# KiCad board zx-multisound.kicad_pcb
title: ZX-MULTISOUND; date: 2026-04-02; rev: KA2; company: Eugene Lozovoy; note: Thickness: 1.6mm; note: Layers: 2; note: Dimensions: 170x64mm; note: Min clearance: 0.2mm; note: Min track: 0.2mm; note: Min hole: 0.3mm; note: Min annular ring: 0.15mm
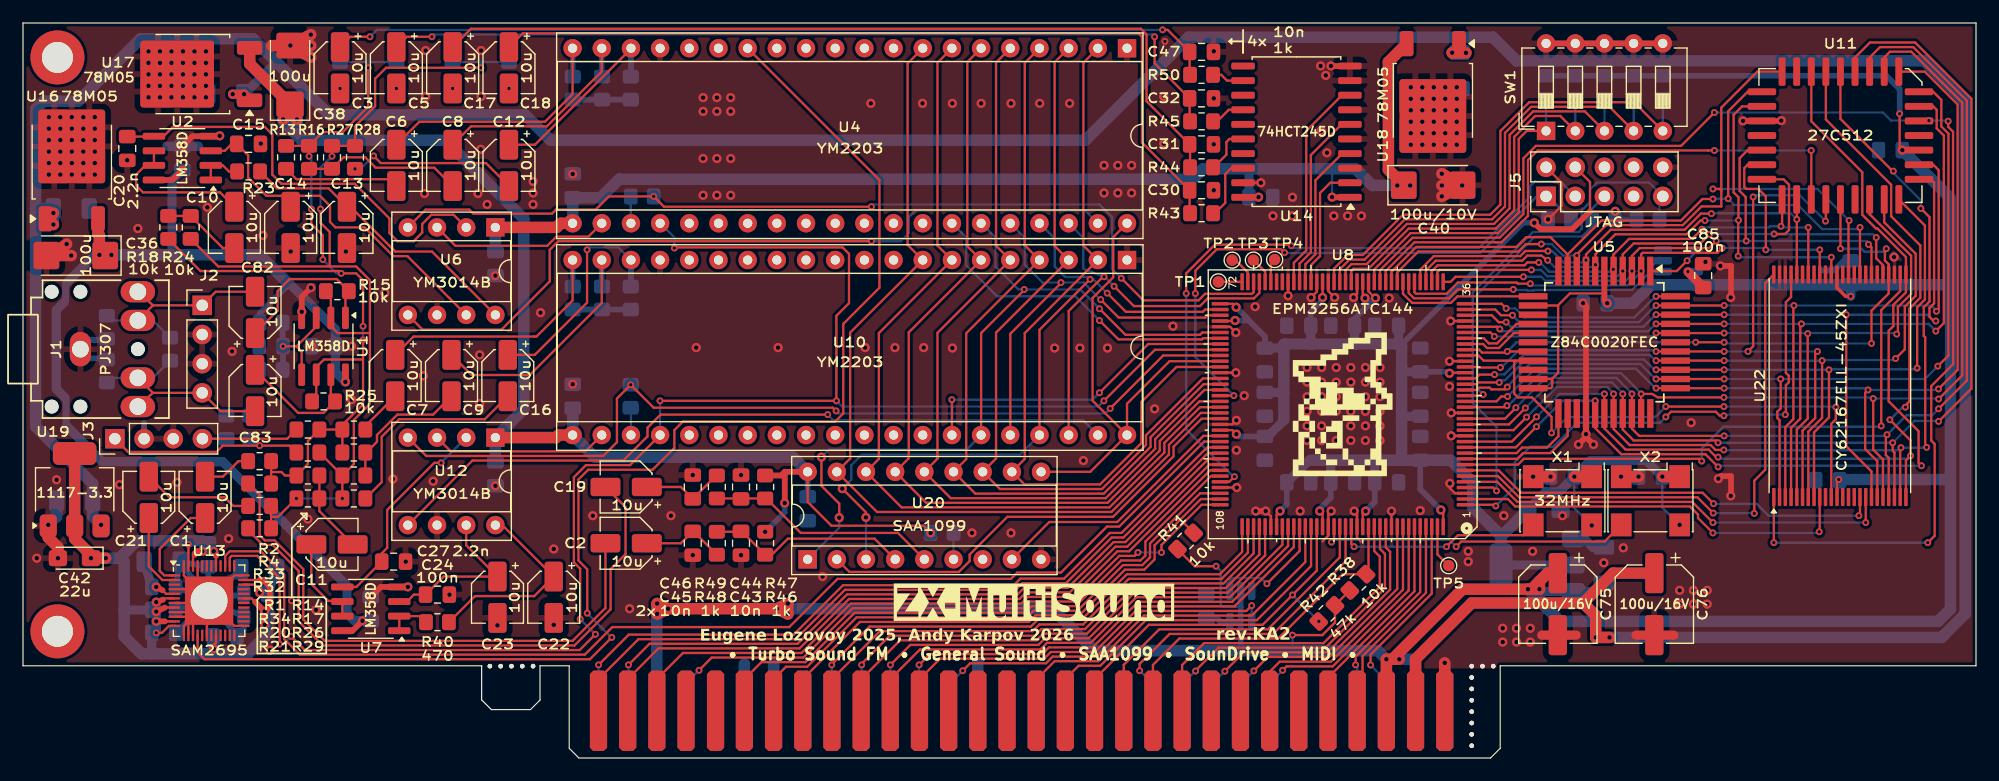
[diagram p0: board, top side]
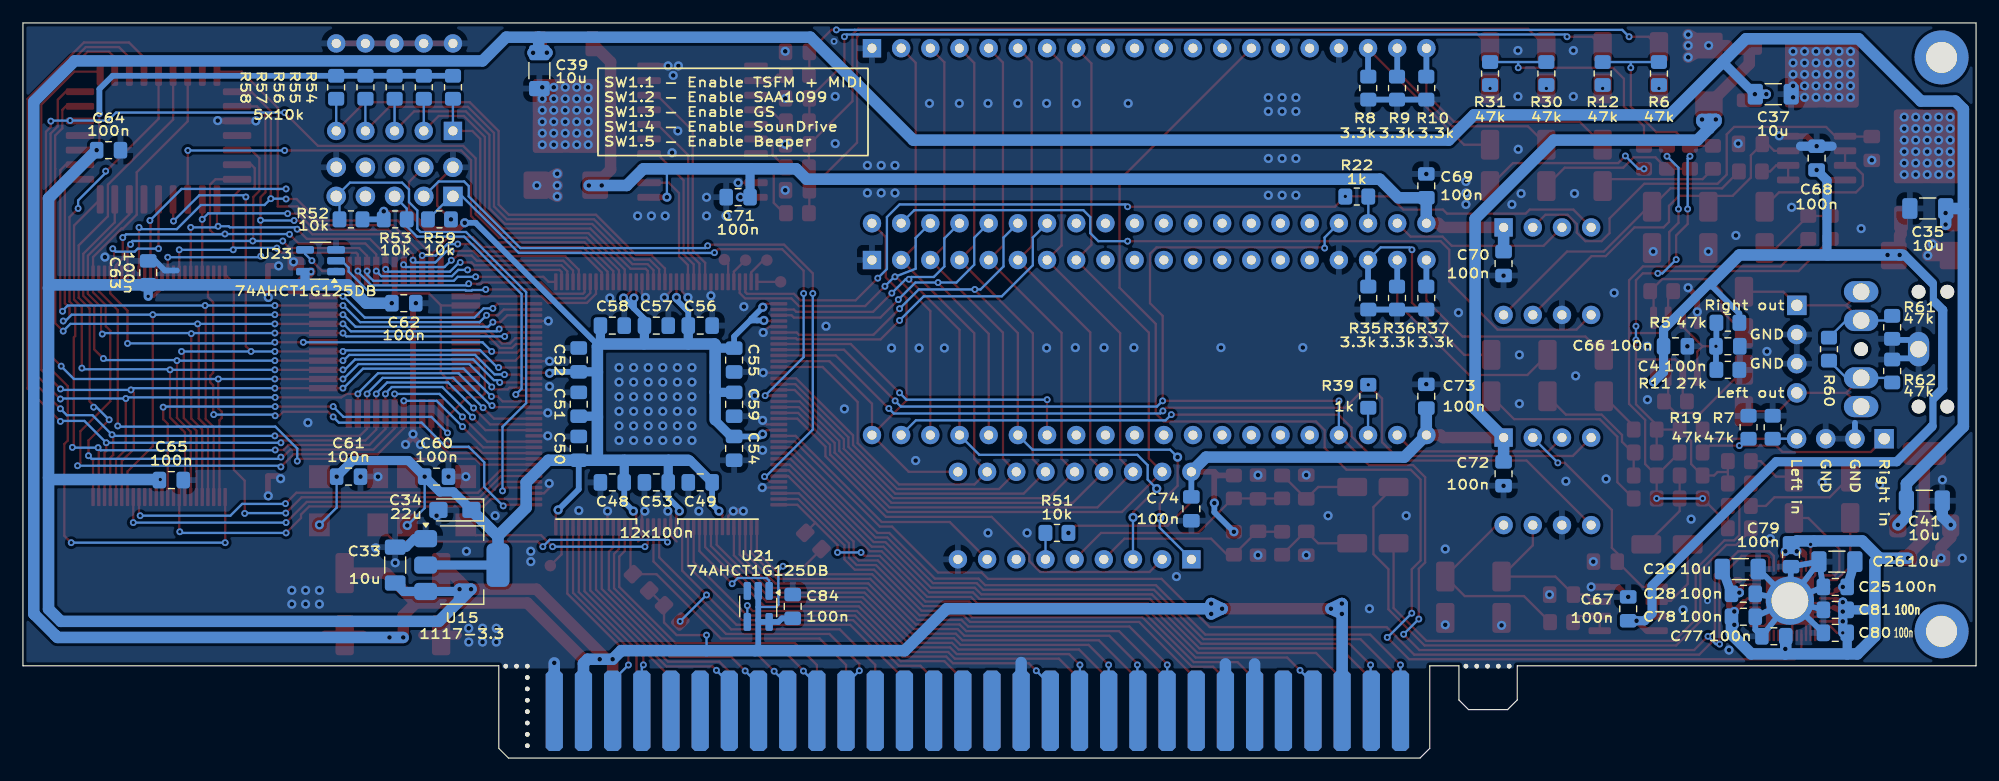
[diagram p1: board, bottom side, seen from below]

Outline 170 x 64 mm; copper layers: Top, Bottom. Coordinates in mm from the lower left corner of the outline.
Outline path: 0,64 170,64 170,8.03 128.58,8.03 128.58,0.84 127.74,0 48.39,0 47.55,0.84 47.55,8.03 45.01,8.03 45.01,5.06 44.17,4.22 40.77,4.22 39.93,5.06 39.93,8.03 0,8.03 0,64
Stack: Top 0.035mm / dielectric 1.51mm FR4 er 4.5 / Bottom 0.035mm

## Placement (name value [footprint] x y rotation side)
C1  10u  [CP_Elec_4x5.4]  15.85 22.7 90 top
C2  10u  [CP_Elec_4x5.4]  52.5 18.7 180 top
C3  10u  [CP_Elec_4x5.4]  27.6 60.1 270 top
C4  100n  [C_0805_2012Metric_Pad1.18x1.45mm_HandSolder]  21.6 35.85 0 bottom
C5  10u  [CP_Elec_4x5.4]  32.5 60.1 270 top
C6  10u  [CP_Elec_4x5.4]  32.5 51.6 270 top
C7  10u  [CP_Elec_4x5.4]  32.4 33.3 270 top
C8  10u  [CP_Elec_4x5.4]  37.4 51.6 270 top
C9  10u  [CP_Elec_4x5.4]  37.3 33.3 270 top
C10  10u  [CP_Elec_4x5.4]  18.4 46.2 270 top
C11  10u  [CP_Elec_4x5.4]  26.9 18.6 0 top
C12  10u  [CP_Elec_4x5.4]  42.3 51.6 270 top
C13  10u  [CP_Elec_4x5.4]  28.2 46.2 270 top
C14  10u  [CP_Elec_4x5.4]  23.3 46.2 270 top
C15  100n  [C_0805_2012Metric_Pad1.18x1.45mm_HandSolder]  19.64 53.47 0 top
C16  10u  [CP_Elec_4x5.4]  42.2 33.3 270 top
C17  10u  [CP_Elec_4x5.4]  37.4 60.1 270 top
C18  10u  [CP_Elec_4x5.4]  42.3 60.1 270 top
C19  10u  [CP_Elec_4x5.4]  52.5 23.6 180 top
C20  2.2n  [C_0805_2012Metric_Pad1.18x1.45mm_HandSolder]  9.07 53.07 270 top
C21  10u  [CP_Elec_4x5.4]  10.95 22.7 90 top
C22  10u  [CP_Elec_4x5.4]  46.2 14 270 top
C23  10u  [CP_Elec_4x5.4]  41.3 14 270 top
C24  100n  [C_0805_2012Metric_Pad1.18x1.45mm_HandSolder]  36.07 14.23 0 top
C25  100n  [C_0805_2012Metric_Pad1.18x1.45mm_HandSolder]  12.25 14.9 0 bottom
C26  10u  [C_1206_3216Metric_Pad1.33x1.80mm_HandSolder]  12.11 17.1 0 bottom
C27  2.2n  [C_0805_2012Metric_Pad1.18x1.45mm_HandSolder]  32.26 17.1 0 top
C28  100n  [C_0805_2012Metric_Pad1.18x1.45mm_HandSolder]  20.25 14.3 180 bottom
C29  10u  [C_1206_3216Metric_Pad1.33x1.80mm_HandSolder]  20.52 16.45 180 bottom
C30  10n  [C_0805_2012Metric_Pad1.18x1.45mm_HandSolder]  102.59 49.43 0 top
C31  10n  [C_0805_2012Metric_Pad1.18x1.45mm_HandSolder]  102.59 53.43 0 top
C32  10n  [C_0805_2012Metric_Pad1.18x1.45mm_HandSolder]  102.59 57.43 0 top
C33  10u  [C_1206_3216Metric_Pad1.33x1.80mm_HandSolder]  137.6 16.8 90 bottom
C34  22u  [CP_EIA-3216-18_Kemet-A_HandSolder]  132.4 21.6 0 bottom
C35  10u  [C_1206_3216Metric_Pad1.33x1.80mm_HandSolder]  4.2 47.85 0 bottom
C36  100u  [CP_EIA-6032-28_Kemet-C_HandSolder]  4.6 43.75 180 top
C37  10u  [C_1206_3216Metric_Pad1.33x1.80mm_HandSolder]  17.65 57.8 180 bottom
C38  100u  [CP_EIA-6032-28_Kemet-C_HandSolder]  23.25 59.47 90 top
C39  10u  [C_1206_3216Metric_Pad1.33x1.80mm_HandSolder]  125.05 59.85 270 bottom
C40  100u/10V  [CP_EIA-6032-28_Kemet-C_HandSolder]  122.75 49.88 0 top
C41  10u  [C_1206_3216Metric_Pad1.33x1.80mm_HandSolder]  4.5 22.4 180 bottom
C42  22u  [CP_EIA-3216-18_Kemet-A_HandSolder]  4.48 17.4 180 top
C43  10n  [C_0805_2012Metric_Pad1.18x1.45mm_HandSolder]  62.5 18.7 270 top
C44  10n  [C_0805_2012Metric_Pad1.18x1.45mm_HandSolder]  62.5 23.6 90 top
C45  10n  [C_0805_2012Metric_Pad1.18x1.45mm_HandSolder]  58.3 18.7 270 top
C46  10n  [C_0805_2012Metric_Pad1.18x1.45mm_HandSolder]  58.3 23.6 90 top
C47  10n  [C_0805_2012Metric_Pad1.18x1.45mm_HandSolder]  102.59 61.48 0 top
C48  100n  [C_0805_2012Metric_Pad1.18x1.45mm_HandSolder]  118.7 24 0 bottom
C49  100n  [C_0805_2012Metric_Pad1.18x1.45mm_HandSolder]  111.05 24 0 bottom
C50  100n  [C_0805_2012Metric_Pad1.18x1.45mm_HandSolder]  121.62 26.96 90 bottom
C51  100n  [C_0805_2012Metric_Pad1.18x1.45mm_HandSolder]  121.62 30.8 90 bottom
C52  100n  [C_0805_2012Metric_Pad1.18x1.45mm_HandSolder]  121.62 34.66 90 bottom
C53  100n  [C_0805_2012Metric_Pad1.18x1.45mm_HandSolder]  114.87 24 0 bottom
C54  100n  [C_0805_2012Metric_Pad1.18x1.45mm_HandSolder]  108.1 26.96 270 bottom
C55  100n  [C_0805_2012Metric_Pad1.18x1.45mm_HandSolder]  108.1 34.65 270 bottom
C56  100n  [C_0805_2012Metric_Pad1.18x1.45mm_HandSolder]  111.05 37.65 180 bottom
C57  100n  [C_0805_2012Metric_Pad1.18x1.45mm_HandSolder]  114.87 37.65 180 bottom
C58  100n  [C_0805_2012Metric_Pad1.18x1.45mm_HandSolder]  118.7 37.65 180 bottom
C59  100n  [C_0805_2012Metric_Pad1.18x1.45mm_HandSolder]  108.1 30.8 270 bottom
C60  100n  [C_0805_2012Metric_Pad1.18x1.45mm_HandSolder]  134 24.5 0 bottom
C61  100n  [C_0805_2012Metric_Pad1.18x1.45mm_HandSolder]  141.66 24.5 0 bottom
C62  100n  [C_0805_2012Metric_Pad1.18x1.45mm_HandSolder]  136.85 39.6 0 bottom
C63  100n  [C_0805_2012Metric_Pad1.18x1.45mm_HandSolder]  159.1 42.25 270 bottom
C64  100n  [C_0805_2012Metric_Pad1.18x1.45mm_HandSolder]  162.55 52.92 0 bottom
C65  100n  [C_0805_2012Metric_Pad1.18x1.45mm_HandSolder]  157.09 24.2 0 bottom
C66  100n  [C_0805_2012Metric_Pad1.18x1.45mm_HandSolder]  26.16 35.85 0 bottom
C67  100n  [C_0805_2012Metric_Pad1.18x1.45mm_HandSolder]  30.27 12.99 270 bottom
C68  100n  [C_0805_2012Metric_Pad1.18x1.45mm_HandSolder]  13.87 52.23 270 bottom
C69  100n  [C_0805_2012Metric_Pad1.18x1.45mm_HandSolder]  47.85 49.82 270 bottom
C70  100n  [C_0805_2012Metric_Pad1.18x1.45mm_HandSolder]  41.12 43.05 90 bottom
C71  100n  [C_0805_2012Metric_Pad1.18x1.45mm_HandSolder]  107.75 48.83 180 bottom
C72  100n  [C_0805_2012Metric_Pad1.18x1.45mm_HandSolder]  41.12 24.75 90 bottom
C73  100n  [C_0805_2012Metric_Pad1.18x1.45mm_HandSolder]  47.85 31.5 270 bottom
C74  100n  [C_0805_2012Metric_Pad1.18x1.45mm_HandSolder]  68.3 21.7 90 bottom
C75  100u/16V  [CP_Elec_6.3x7.7]  133.6 13.4 270 top
C76  100u/16V  [CP_Elec_6.3x7.7]  142 13.4 270 top
C77  100n  [C_0805_2012Metric_Pad1.18x1.45mm_HandSolder]  17.6 10.6 0 bottom
C78  100n  [C_0805_2012Metric_Pad1.18x1.45mm_HandSolder]  20.25 12.3 180 bottom
C79  100n  [C_0805_2012Metric_Pad1.18x1.45mm_HandSolder]  16.1 17.7 270 bottom
C80  100n  [C_0805_2012Metric_Pad1.18x1.45mm_HandSolder]  12.25 10.9 0 bottom
C81  100n  [C_0805_2012Metric_Pad1.18x1.45mm_HandSolder]  12.25 12.9 0 bottom
C82  10u  [CP_Elec_4x5.4]  20.2 38.8 90 top
C83  10u  [CP_Elec_4x5.4]  20.2 32 270 top
C84  100n  [C_0805_2012Metric_Pad1.18x1.45mm_HandSolder]  103 13.2 270 bottom
C85  100n  [C_0805_2012Metric_Pad1.18x1.45mm_HandSolder]  146.25 42 270 top
H1  MountingHole_Pad  [MountingHole_2.7mm_M2.5_DIN965_Pad]  3 11.03 0 top
H2  MountingHole_Pad  [MountingHole_2.7mm_M2.5_DIN965_Pad]  3 61 0 top
J1  PJ307  [PJ-307]  5 35.6 90 top
J2  Conn_01x04  [PinHeader_1x04_P2.54mm_Vertical]  15.6 39.41 0 top
J3  Conn_01x04  [PinHeader_1x04_P2.54mm_Vertical]  8 27.8 90 top
J4  Conn_02x30_Row_Letter_First  [ZX_NEMO_60_EDGE]  47.55 8.04 0 top
J5  Conn_02x05_Odd_Even  [PinHeader_2x05_P2.54mm_Vertical]  132.58 48.9 90 top
LOGO1  graphic  [black-mage-12.5x8.6]  114.87 30.8 0 top
R1  24k  [R_0805_2012Metric_Pad1.20x1.40mm_HandSolder]  24.8 28.6 180 top
R2  10k  [R_0805_2012Metric_Pad1.20x1.40mm_HandSolder]  20.6 25.85 180 top
R4  10k  [R_0805_2012Metric_Pad1.20x1.40mm_HandSolder]  20.6 23.9 180 top
R5  47k  [R_0805_2012Metric_Pad1.20x1.40mm_HandSolder]  21.6 37.9 180 bottom
R6  47k  [R_0805_2012Metric_Pad1.20x1.40mm_HandSolder]  27.6 59.6 270 bottom
R7  47k  [R_0805_2012Metric_Pad1.20x1.40mm_HandSolder]  17.7 28.8 90 bottom
R8  3.3k  [R_0805_2012Metric_Pad1.20x1.40mm_HandSolder]  52.9 58.33 90 bottom
R9  3.3k  [R_0805_2012Metric_Pad1.20x1.40mm_HandSolder]  50.4 58.33 90 bottom
R10  3.3k  [R_0805_2012Metric_Pad1.20x1.40mm_HandSolder]  47.85 58.33 90 bottom
R11  27k  [R_0805_2012Metric_Pad1.20x1.40mm_HandSolder]  21.6 33.8 180 bottom
R12  47k  [R_0805_2012Metric_Pad1.20x1.40mm_HandSolder]  32.5 59.6 270 bottom
R13  24k  [R_0805_2012Metric_Pad1.20x1.40mm_HandSolder]  22.9 52.3 270 top
R14  24k  [R_0805_2012Metric_Pad1.20x1.40mm_HandSolder]  28.8 28.6 0 top
R15  10k  [R_0805_2012Metric_Pad1.20x1.40mm_HandSolder]  27.36 40.65 0 top
R16  47k  [R_0805_2012Metric_Pad1.20x1.40mm_HandSolder]  24.9 52.3 270 top
R17  47k  [R_0805_2012Metric_Pad1.20x1.40mm_HandSolder]  28.8 26.6 0 top
R18  10k  [R_0805_2012Metric_Pad1.20x1.40mm_HandSolder]  12.65 46.2 90 top
R19  47k  [R_0805_2012Metric_Pad1.20x1.40mm_HandSolder]  19.8 28.8 90 bottom
R20  10k  [R_0805_2012Metric_Pad1.20x1.40mm_HandSolder]  24.8 24.6 0 top
R21  10k  [R_0805_2012Metric_Pad1.20x1.40mm_HandSolder]  24.8 22.6 0 top
R22  1k  [R_0805_2012Metric_Pad1.20x1.40mm_HandSolder]  53.9 48.89 0 bottom
R23  470  [R_0805_2012Metric_Pad1.20x1.40mm_HandSolder]  19.64 51.07 0 top
R24  10k  [R_0805_2012Metric_Pad1.20x1.40mm_HandSolder]  14.6 46.2 90 top
R25  10k  [R_0805_2012Metric_Pad1.20x1.40mm_HandSolder]  26.16 31.05 0 top
R26  47k  [R_0805_2012Metric_Pad1.20x1.40mm_HandSolder]  28.8 24.6 0 top
R27  47k  [R_0805_2012Metric_Pad1.20x1.40mm_HandSolder]  26.9 52.3 270 top
R28  24k  [R_0805_2012Metric_Pad1.20x1.40mm_HandSolder]  28.9 52.3 270 top
R29  24k  [R_0805_2012Metric_Pad1.20x1.40mm_HandSolder]  28.8 22.6 0 top
R30  47k  [R_0805_2012Metric_Pad1.20x1.40mm_HandSolder]  37.4 59.6 270 bottom
R31  47k  [R_0805_2012Metric_Pad1.20x1.40mm_HandSolder]  42.3 59.6 270 bottom
R32  10k  [R_0805_2012Metric_Pad1.20x1.40mm_HandSolder]  20.6 20 180 top
R33  10k  [R_0805_2012Metric_Pad1.20x1.40mm_HandSolder]  20.6 21.95 180 top
R34  24k  [R_0805_2012Metric_Pad1.20x1.40mm_HandSolder]  24.8 26.6 180 top
R35  3.3k  [R_0805_2012Metric_Pad1.20x1.40mm_HandSolder]  52.9 40.05 90 bottom
R36  3.3k  [R_0805_2012Metric_Pad1.20x1.40mm_HandSolder]  50.4 40.05 90 bottom
R37  3.3k  [R_0805_2012Metric_Pad1.20x1.40mm_HandSolder]  47.85 40.05 90 bottom
R38  10k  [R_0805_2012Metric_Pad1.20x1.40mm_HandSolder]  116.2 15.3 45 top
R39  1k  [R_0805_2012Metric_Pad1.20x1.40mm_HandSolder]  52.9 31.5 90 bottom
R40  470  [R_0805_2012Metric_Pad1.20x1.40mm_HandSolder]  36.07 11.83 0 top
R41  10k  [R_0805_2012Metric_Pad1.20x1.40mm_HandSolder]  101.2 18.9 45 top
R42  47k  [R_0805_2012Metric_Pad1.20x1.40mm_HandSolder]  113.49 12.59 225 top
R43  1k  [R_0805_2012Metric_Pad1.20x1.40mm_HandSolder]  102.59 47.43 0 top
R44  1k  [R_0805_2012Metric_Pad1.20x1.40mm_HandSolder]  102.59 51.43 0 top
R45  1k  [R_0805_2012Metric_Pad1.20x1.40mm_HandSolder]  102.59 55.43 0 top
R46  1k  [R_0805_2012Metric_Pad1.20x1.40mm_HandSolder]  64.6 18.7 90 top
R47  1k  [R_0805_2012Metric_Pad1.20x1.40mm_HandSolder]  64.6 23.6 90 top
R48  1k  [R_0805_2012Metric_Pad1.20x1.40mm_HandSolder]  60.4 18.7 270 top
R49  1k  [R_0805_2012Metric_Pad1.20x1.40mm_HandSolder]  60.4 23.6 90 top
R50  1k  [R_0805_2012Metric_Pad1.20x1.40mm_HandSolder]  102.59 59.48 0 top
R51  10k  [R_0805_2012Metric_Pad1.20x1.40mm_HandSolder]  80 19.6 180 bottom
R52  10k  [R_0805_2012Metric_Pad1.20x1.40mm_HandSolder]  141.45 46.9 180 bottom
R53  10k  [R_0805_2012Metric_Pad1.20x1.40mm_HandSolder]  137.6 46.9 0 bottom
R54  10k  [R_0805_2012Metric_Pad1.20x1.40mm_HandSolder]  132.57 58.4 270 bottom
R55  10k  [R_0805_2012Metric_Pad1.20x1.40mm_HandSolder]  135.11 58.4 270 bottom
R56  10k  [R_0805_2012Metric_Pad1.20x1.40mm_HandSolder]  137.65 58.4 270 bottom
R57  10k  [R_0805_2012Metric_Pad1.20x1.40mm_HandSolder]  140.19 58.4 270 bottom
R58  10k  [R_0805_2012Metric_Pad1.20x1.40mm_HandSolder]  142.74 58.4 270 bottom
R59  10k  [R_0805_2012Metric_Pad1.20x1.40mm_HandSolder]  133.75 46.9 180 bottom
R60  10K  [R_0805_2012Metric_Pad1.20x1.40mm_HandSolder]  12.8 35.6 270 bottom  (not fitted)
R61  47k  [R_0805_2012Metric_Pad1.20x1.40mm_HandSolder]  7.3 37.5 90 bottom
R62  47k  [R_0805_2012Metric_Pad1.20x1.40mm_HandSolder]  7.3 33.7 270 bottom
REF**  -  [NPTH_D=0.4mm]  42.52 8 0 top
REF**1  -  [NPTH_D=0.4mm]  126.1 7.01 0 top
REF**2  -  [NPTH_D=0.4mm]  126.1 6.02 0 top
REF**3  -  [NPTH_D=0.4mm]  126.1 5.03 0 top
REF**4  -  [NPTH_D=0.4mm]  126.1 4.04 0 top
REF**5  -  [NPTH_D=0.4mm]  126.1 3.05 0 top
REF**6  -  [NPTH_D=0.4mm]  126.1 2.06 0 top
REF**7  -  [NPTH_D=0.4mm]  126.1 1.07 0 top
REF**8  -  [NPTH_D=0.4mm]  127.04 8 0 top
REF**8#2  -  [NPTH_D=0.4mm]  41.58 8 0 top
REF**8#3  -  [NPTH_D=0.4mm]  43.46 8 0 top
REF**9  -  [NPTH_D=0.4mm]  44.4 8 0 top
REF**9#2  -  [NPTH_D=0.4mm]  127.98 8 0 top
REF**#2  -  [NPTH_D=0.4mm]  126.1 8 0 top
REF**#3  -  [NPTH_D=0.4mm]  40.64 8 0 top
SW1  SW_DIP_x05  [SW_DIP_SPSTx05_Slide_6.7x14.26mm_W7.62mm_P2.54mm_LowProfile]  132.58 54.6 90 top
TP1  TestPoint  [TestPoint_Pad_D1.0mm]  104.05 41.46 0 top
TP2  TestPoint  [TestPoint_Pad_D1.0mm]  105.25 43.35 0 top
TP3  TestPoint  [TestPoint_Pad_D1.0mm]  107.1 43.35 0 top
TP4  TestPoint  [TestPoint_Pad_D1.0mm]  108.95 43.4 0 top
TP5  TestPoint  [TestPoint_Pad_D1.0mm]  124.1 16.75 0 top
U1  LM358D  [SOIC-8_3.9x4.9mm_P1.27mm]  26.16 35.85 270 top
U2  LM358D  [SOIC-8_3.9x4.9mm_P1.27mm]  13.87 52.23 180 top
U4  YM2203  [DIP-40_W15.24mm_Socket]  96.1 61.8 270 top
U5  Z84C0020FEC  [TQFP-44_14x14mm_P0.8mm]  137.65 36.2 270 top
U6  YM3014B  [DIP-8_W7.62mm_Socket]  41.12 46.2 270 top
U7  LM358D  [SOIC-8_3.9x4.9mm_P1.27mm]  30.27 12.99 180 top
U8  EPM3256ATC144  [TQFP-144_20x20mm_P0.5mm]  114.87 30.8 180 top
U10  YM2203  [DIP-40_W15.24mm_Socket]  96.1 43.36 270 top
U11  27C512  [PLCC-32_11.4x14.0mm_P1.27mm-longpads]  158.2 54.2 270 top
U12  YM3014B  [DIP-8_W7.62mm_Socket]  41.12 27.9 270 top
U13  SAM2695  [QFN-48-1EP_6x6mm_P0.4mm_EP4.2x4.2mm]  16.2 13.7 0 top
U14  74HCT245D  [SOIC-20W_7.5x12.8mm_P1.27mm]  110.85 54.53 180 top
U15  1117-3.3  [SOT-223-3_TabPin2]  131.8 16.8 180 bottom
U16  78M05  [TO-252-2]  4.25 51.99 90 top
U17  78M05  [TO-252-2]  14.68 59.55 180 top
U18  78M05  [TO-252-2]  122.72 57.16 270 top
U19  1117-3.3  [SOT-223-3_TabPin2]  4.5 23.36 90 top
U20  SAA1099  [DIP-18_W7.62mm_Socket]  68.3 17.3 90 top
U21  74AHCT1G125DB  [SOT-23-5_HandSoldering]  106 13.2 270 bottom
U22  CY62167ELL-45ZXI  [TSOP-I-48_18.4x12mm_P0.5mm]  158.15 32.41 90 top
U23  74AHCT1G125DB  [SOT-23-5_HandSoldering]  144.1 43.3 0 bottom
X1  32MHz  [Oscillator_SMD_7050_7.0x5.0mm]  134 22.4 180 top
X2  ??MHz  [Oscillator_SMD_7050_7.0x5.0mm]  141.66 22.4 180 top  (not fitted)

## Library data of the parts
C1-C3 C5-C14 C16-C19 C21-C23 C75 C76 C82 C83 = -: ki_fp_filters: CP_*
C4 C15 C20 C24-C33 C35 C37 C39 C41 C43-C74 C77-C81 C84 C85 = -: ki_fp_filters: C_*
C34 C36 C38 C40 C42 = -: KiLib_Generator: SMD_2terminal_chip_molded; ki_fp_filters: CP_*
H1 H2 = -: ki_fp_filters: MountingHole*Pad*
J1 = -: ki_fp_filters: Jack*
J2 J3 = -: ki_fp_filters: Connector*:*_1x??_*
J4 = -: ki_fp_filters: Connector*:*_2x??_*
J5 = -: Desc: JTAG; ki_fp_filters: Connector*:*_2x??_*
LOGO1 = -: Desc: Logo
R1 R2 R4-R62 = -: ki_fp_filters: R_*
SW1 = -: ki_fp_filters: SW?DIP?x5*
TP1-TP5 = -: ki_fp_filters: Pin* Test*
U1 U2 U7 = -: Datasheet: http://ww1.microchip.com/downloads/en/DeviceDoc/21314g.pdf; ki_fp_filters: SOIC*3.9x4.9mm*P1.27mm* DIP*W7.62mm* TO*99* OnSemi*Micro8* TSSOP*3x3mm*P0.65mm* TSSOP*4.4x3mm*P0.65mm* MSOP*3x3mm*P0.65mm* SSOP*3.9x4.9mm*P0.635mm* LFCSP*2x2mm*P0.5mm* *SIP* SOIC*5.3x6.2mm*P1.27mm*
U5 = -: Datasheet: www.zilog.com/manage_directlink.php?filepath=docs/z80/um0080; Description: 8-bit General Purpose Microprocessor, QFP-44; ki_fp_filters: *QFP-44*P0.8mm*
U6 U12 U20 = -: ki_fp_filters: DIP*W7.62mm*
U8 = -: Datasheet: DOCUMENTATION; ki_fp_filters: TQFP-144_20x20mm_P0.5mm
U11 = -: Datasheet: http://ww1.microchip.com/downloads/en/DeviceDoc/doc0015.pdf; ki_fp_filters: PLCC?32*11.4x14.0mm*P1.27mm*
U13 = -: ki_fp_filters: QFN*6x6*
U14 = -: Datasheet: http://www.ti.com/lit/gpn/sn74HC245; ki_fp_filters: DIP?20*
U15 U19 = -: Datasheet: http://www.advanced-monolithic.com/pdf/ds1117.pdf; ki_fp_filters: SOT?223*TabPin2*
U16-U18 = -: Datasheet: https://www.onsemi.com/pub/Collateral/MC78M00-D.PDF; ki_fp_filters: TO?252*
U21 U23 = -: Datasheet: http://www.ti.com/lit/sg/scyt129e/scyt129e.pdf; ki_fp_filters: SOT* SG-*
U22 = -: KiLib_Generator: package/gullwing
X1 X2 = -: Datasheet: http://cdn-reichelt.de/documents/datenblatt/B400/XO91.pdf; ki_fp_filters: Oscillator*SMD*EuroQuartz*XO91*7.0x5.0mm*

## Footprints (pads in the part's own frame, mm; a bottom-side part is the same pattern mirrored in y, then rotated)
C_0805_2012Metric_Pad1.18x1.45mm_HandSolder
  rrect 1.175x1.45 smd: 1(-1.038,0) 2(1.038,0)
C_1206_3216Metric_Pad1.33x1.80mm_HandSolder
  rrect 1.325x1.8 smd: 1(-1.562,0) 2(1.562,0)
CP_EIA-3216-18_Kemet-A_HandSolder
  rrect 1.59x1.39 smd: 1(-1.44,0) 2(1.44,0)
CP_EIA-6032-28_Kemet-C_HandSolder
  rrect 2.245x2.39 smd: 1(-2.558,0) 2(2.558,0)
CP_Elec_4x5.4
  rrect 2.6x1.6 smd: 1(-1.8,0) 2(1.8,0)
CP_Elec_6.3x7.7
  rrect 3.5x1.6 smd: 1(-2.7,0) 2(2.7,0)
DIP-8_W7.62mm_Socket
  rect 1.6x1.6 hole 0.8: 1(0,0)
  oval 1.6x1.6 hole 0.8: 2(0,-2.54) 3(0,-5.08) 4(0,-7.62) 5(7.62,-7.62) 6(7.62,-5.08) 7(7.62,-2.54) 8(7.62,0)
DIP-18_W7.62mm_Socket
  rect 1.6x1.6 hole 0.8: 1(0,0)
  oval 1.6x1.6 hole 0.8: 2(0,-2.54) 3(0,-5.08) 4(0,-7.62) 5(0,-10.16) 6(0,-12.7) 7(0,-15.24) 8(0,-17.78) 9(0,-20.32) 10(7.62,-20.32) 11(7.62,-17.78) 12(7.62,-15.24) 13(7.62,-12.7) 14(7.62,-10.16) 15(7.62,-7.62) 16(7.62,-5.08) 17(7.62,-2.54) 18(7.62,0)
DIP-40_W15.24mm_Socket
  rect 1.6x1.6 hole 0.8: 1(0,0)
  oval 1.6x1.6 hole 0.8: 2(0,-2.54) 3(0,-5.08) 4(0,-7.62) 5(0,-10.16) 6(0,-12.7) 7(0,-15.24) 8(0,-17.78) 9(0,-20.32) 10(0,-22.86) 11(0,-25.4) 12(0,-27.94) 13(0,-30.48) 14(0,-33.02) 15(0,-35.56) 16(0,-38.1) 17(0,-40.64) 18(0,-43.18) 19(0,-45.72) 20(0,-48.26) 21(15.24,-48.26) 22(15.24,-45.72) 23(15.24,-43.18) 24(15.24,-40.64) 25(15.24,-38.1) 26(15.24,-35.56) 27(15.24,-33.02) 28(15.24,-30.48) 29(15.24,-27.94) 30(15.24,-25.4) 31(15.24,-22.86) 32(15.24,-20.32) 33(15.24,-17.78) 34(15.24,-15.24) 35(15.24,-12.7) 36(15.24,-10.16) 37(15.24,-7.62) 38(15.24,-5.08) 39(15.24,-2.54) 40(15.24,0)
MountingHole_2.7mm_M2.5_DIN965_Pad
  round 4.7 hole 2.7: 1(0,0)
NPTH_D=0.4mm
  round 0.42 hole 0.4 unplated: (0,0)
Oscillator_SMD_7050_7.0x5.0mm
  rect 1.8x2 smd: 1(-2.54,-2.1) 2(2.54,-2.1) 3(2.54,2.1) 4(-2.54,2.1)
PinHeader_1x04_P2.54mm_Vertical
  rect 1.7x1.7 hole 1: 1(0,0)
  oval 1.7x1.7 hole 1: 2(0,-2.54) 3(0,-5.08) 4(0,-7.62)
PinHeader_2x05_P2.54mm_Vertical
  rect 1.7x1.7 hole 1: 1(0,0)
  oval 1.7x1.7 hole 1: 2(2.54,0) 3(0,-2.54) 4(2.54,-2.54) 5(0,-5.08) 6(2.54,-5.08) 7(0,-7.62) 8(2.54,-7.62) 9(0,-10.16) 10(2.54,-10.16)
PJ-307
  round 1.2 hole 1.2 unplated: (-5,2.5) (-5,0) (0,-5) (5,2.5) (5,0)
  oval 1.85x3 hole 1.45: R(5,-5) RN(2.5,-5) T(-5,-5) TN(-2.5,-5)
  oval 3x1.85 hole 1.45: S(0,0)
PLCC-32_11.4x14.0mm_P1.27mm-longpads
  rrect 0.6x2.475 smd: 1(0,6.838) 2(-1.27,6.838) 3(-2.54,6.838) 4(-3.81,6.838) 14(-3.81,-6.838) 15(-2.54,-6.838) 16(-1.27,-6.838) 17(0,-6.838) 18(1.27,-6.838) 19(2.54,-6.838) 20(3.81,-6.838) 30(3.81,6.838) 31(2.54,6.838) 32(1.27,6.838)
  rrect 2.475x0.6 smd: 5(-5.562,5.08) 6(-5.562,3.81) 7(-5.562,2.54) 8(-5.562,1.27) 9(-5.562,0) 10(-5.562,-1.27) 11(-5.562,-2.54) 12(-5.562,-3.81) 13(-5.562,-5.08) 21(5.562,-5.08) 22(5.562,-3.81) 23(5.562,-2.54) 24(5.562,-1.27) 25(5.562,0) 26(5.562,1.27) 27(5.562,2.54) 28(5.562,3.81) 29(5.562,5.08)
QFN-48-1EP_6x6mm_P0.4mm_EP4.2x4.2mm
  rrect 1x0.2 smd: 1(-3.025,2.2) 2(-3.025,1.8) 3(-3.025,1.4) 4(-3.025,1) 5(-3.025,0.6) 6(-3.025,0.2) 7(-3.025,-0.2) 8(-3.025,-0.6) 9(-3.025,-1) 10(-3.025,-1.4) 11(-3.025,-1.8) 12(-3.025,-2.2) 25(3.025,-2.2) 26(3.025,-1.8) 27(3.025,-1.4) 28(3.025,-1) 29(3.025,-0.6) 30(3.025,-0.2) 31(3.025,0.2) 32(3.025,0.6) 33(3.025,1) 34(3.025,1.4) 35(3.025,1.8) 36(3.025,2.2)
  rrect 0.2x1 smd: 13(-2.2,-3.025) 14(-1.8,-3.025) 15(-1.4,-3.025) 16(-1,-3.025) 17(-0.6,-3.025) 18(-0.2,-3.025) 19(0.2,-3.025) 20(0.6,-3.025) 21(1,-3.025) 22(1.4,-3.025) 23(1.8,-3.025) 24(2.2,-3.025) 37(2.2,3.025) 38(1.8,3.025) 39(1.4,3.025) 40(1,3.025) 41(0.6,3.025) 42(0.2,3.025) 43(-0.2,3.025) 44(-0.6,3.025) 45(-1,3.025) 46(-1.4,3.025) 47(-1.8,3.025) 48(-2.2,3.025)
  round 4.2 hole 3.2: 49(0,0)
  rect 4.2x4.2 smd: 49(0,0)
R_0805_2012Metric_Pad1.20x1.40mm_HandSolder
  rrect 1.2x1.4 smd: 1(-1,0) 2(1,0)
SOIC-8_3.9x4.9mm_P1.27mm
  rrect 1.95x0.6 smd: 1(-2.475,1.905) 2(-2.475,0.635) 3(-2.475,-0.635) 4(-2.475,-1.905) 5(2.475,-1.905) 6(2.475,-0.635) 7(2.475,0.635) 8(2.475,1.905)
SOIC-20W_7.5x12.8mm_P1.27mm
  rrect 2.05x0.6 smd: 1(-4.65,5.715) 2(-4.65,4.445) 3(-4.65,3.175) 4(-4.65,1.905) 5(-4.65,0.635) 6(-4.65,-0.635) 7(-4.65,-1.905) 8(-4.65,-3.175) 9(-4.65,-4.445) 10(-4.65,-5.715) 11(4.65,-5.715) 12(4.65,-4.445) 13(4.65,-3.175) 14(4.65,-1.905) 15(4.65,-0.635) 16(4.65,0.635) 17(4.65,1.905) 18(4.65,3.175) 19(4.65,4.445) 20(4.65,5.715)
SOT-23-5_HandSoldering
  rrect 1.56x0.65 smd: 1(-1.35,0.95) 2(-1.35,0) 3(-1.35,-0.95) 4(1.35,-0.95) 5(1.35,0.95)
SOT-223-3_TabPin2
  rrect 2x1.5 smd: 1(-3.15,2.3) 2(-3.15,0) 3(-3.15,-2.3)
  rrect 2x3.8 smd: 2(3.15,0)
SW_DIP_SPSTx05_Slide_6.7x14.26mm_W7.62mm_P2.54mm_LowProfile
  rect 1.6x1.6 hole 0.8: 1(0,0)
  oval 1.6x1.6 hole 0.8: 2(0,-2.54) 3(0,-5.08) 4(0,-7.62) 5(0,-10.16) 6(7.62,-10.16) 7(7.62,-7.62) 8(7.62,-5.08) 9(7.62,-2.54) 10(7.62,0)
TestPoint_Pad_D1.0mm
  round 1 smd: 1(0,0)
TO-252-2
  rrect 2.2x1.2 smd: 1(-5.04,2.28) 3(-5.04,-2.28)
  rrect 3.05x2.75 smd: 2(-0.415,1.525) 2(-0.415,-1.525) 2(2.935,1.525) 2(2.935,-1.525)
  rrect 6.4x5.8 smd: 2(1.26,0)
TQFP-44_14x14mm_P0.8mm
  rect 2.5x0.55 smd: 1(-6.2,4) 2(-6.2,3.2) 3(-6.2,2.4) 4(-6.2,1.6) 5(-6.2,0.8) 6(-6.2,0) 7(-6.2,-0.8) 8(-6.2,-1.6) 9(-6.2,-2.4) 10(-6.2,-3.2) 11(-6.2,-4) 23(6.2,-4) 24(6.2,-3.2) 25(6.2,-2.4) 26(6.2,-1.6) 27(6.2,-0.8) 28(6.2,0) 29(6.2,0.8) 30(6.2,1.6) 31(6.2,2.4) 32(6.2,3.2) 33(6.2,4)
  rect 0.55x2.5 smd: 12(-4,-6.2) 13(-3.2,-6.2) 14(-2.4,-6.2) 15(-1.6,-6.2) 16(-0.8,-6.2) 17(0,-6.2) 18(0.8,-6.2) 19(1.6,-6.2) 20(2.4,-6.2) 21(3.2,-6.2) 22(4,-6.2) 34(4,6.2) 35(3.2,6.2) 36(2.4,6.2) 37(1.6,6.2) 38(0.8,6.2) 39(0,6.2) 40(-0.8,6.2) 41(-1.6,6.2) 42(-2.4,6.2) 43(-3.2,6.2) 44(-4,6.2)
TQFP-144_20x20mm_P0.5mm
  rrect 1.475x0.3 smd: 1(-10.662,8.75) 2(-10.662,8.25) 3(-10.662,7.75) 4(-10.662,7.25) 5(-10.662,6.75) 6(-10.662,6.25) 7(-10.662,5.75) 8(-10.662,5.25) 9(-10.662,4.75) 10(-10.662,4.25) 11(-10.662,3.75) 12(-10.662,3.25) 13(-10.662,2.75) 14(-10.662,2.25) 15(-10.662,1.75) 16(-10.662,1.25) 17(-10.662,0.75) 18(-10.662,0.25) 19(-10.662,-0.25) 20(-10.662,-0.75) 21(-10.662,-1.25) 22(-10.662,-1.75) 23(-10.662,-2.25) 24(-10.662,-2.75) 25(-10.662,-3.25) 26(-10.662,-3.75) 27(-10.662,-4.25) 28(-10.662,-4.75) 29(-10.662,-5.25) 30(-10.662,-5.75) 31(-10.662,-6.25) 32(-10.662,-6.75) 33(-10.662,-7.25) 34(-10.662,-7.75) 35(-10.662,-8.25) 36(-10.662,-8.75) 73(10.662,-8.75) 74(10.662,-8.25) 75(10.662,-7.75) 76(10.662,-7.25) 77(10.662,-6.75) 78(10.662,-6.25) 79(10.662,-5.75) 80(10.662,-5.25) 81(10.662,-4.75) 82(10.662,-4.25) 83(10.662,-3.75) 84(10.662,-3.25) 85(10.662,-2.75) 86(10.662,-2.25) 87(10.662,-1.75) 88(10.662,-1.25) 89(10.662,-0.75) 90(10.662,-0.25) 91(10.662,0.25) 92(10.662,0.75) 93(10.662,1.25) 94(10.662,1.75) 95(10.662,2.25) 96(10.662,2.75) 97(10.662,3.25) 98(10.662,3.75) 99(10.662,4.25) 100(10.662,4.75) 101(10.662,5.25) 102(10.662,5.75) 103(10.662,6.25) 104(10.662,6.75) 105(10.662,7.25) 106(10.662,7.75) 107(10.662,8.25) 108(10.662,8.75)